# KiCad board Mainboard.kicad_pcb (continued)
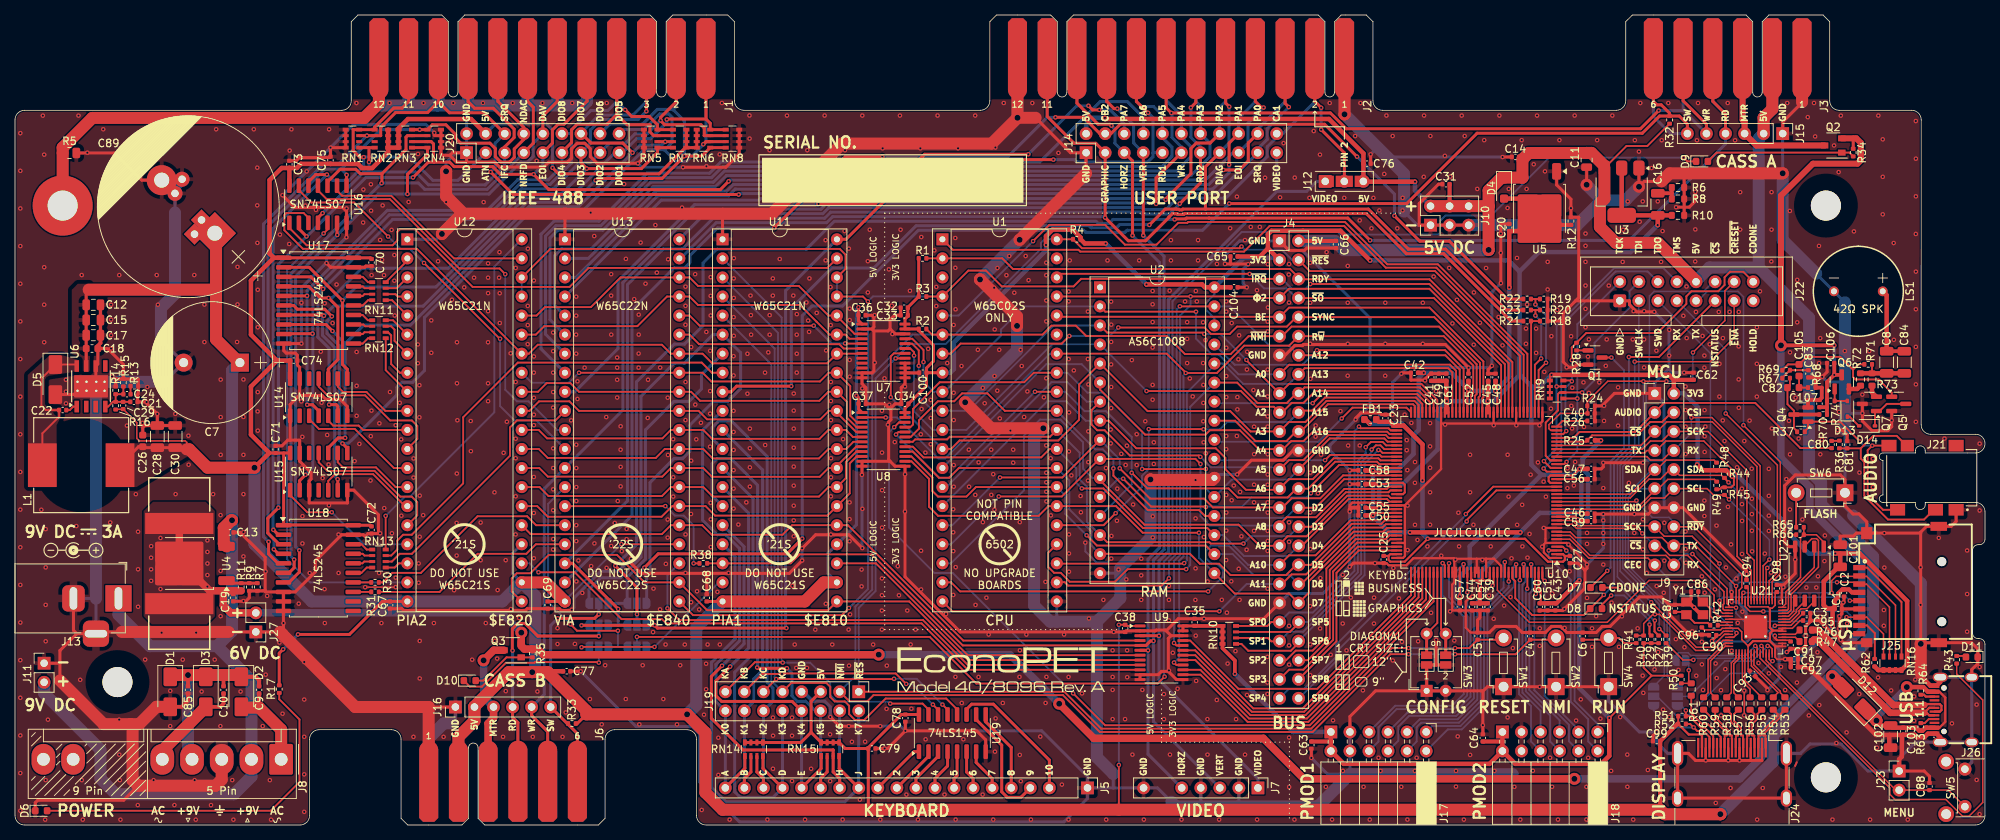
[diagram p0: board, top side]
## Routing (per net, layer and track width the routed paths; a pad name or vN(x,y) marks a point on that pad's centre or on a via; arc(x,y) is an arc through that point) (continued)
/MAGIC/FPGA/TDI: length 31.8
  Top w0.25: 205.44,48.59 204.58,48.59 203.96,49.21 203.96,53.62 205.59,55.26 205.59,55.26 205.59,57.43 205.81,57.64 RN9.2 v1(208.82,57.64)
  Bottom w0.25: J22.4 215.14,71.16 215.14,68.94 210.47,64.27 210.47,59.29 v1(208.82,57.64)
/MAGIC/FPGA/TDO: length 38.4
  Top w0.25: 205.44,47.09 204.11,47.09 v1(203.69,47.51)
  Bottom w0.25: v1(203.69,47.51) 206.04,49.87 206.04,66.54 213.28,73.77 217.55,73.77 J22.6
/MAGIC/FPGA/TMS: length 41.7
  Top w0.25: v1(203.73,48.49) 203.73,48.48 204.61,47.59 205.44,47.59 ; v1(205.42,58.44) RN9.3
  Bottom w0.25: v1(203.73,48.49) 205.42,50.18 v1(205.42,58.44) 205.42,66.55 213.09,74.22 219.64,74.22 J22.8
/MAGIC/FPGA/UART_RX: length 45.9
  Top w0.2: U21.3 233.74,32.53 234.84,33.63 234.84,47.96 v1(227.95,54.84)
  Bottom w0.2: J22.7 227.95,63.36 v1(227.95,54.84)
/MAGIC/FPGA/UART_TX: length 50.1
  Top w0.2: U21.2 234.14,32.42 235.23,33.51 235.23,48.37 v1(230.32,53.28)
  Bottom w0.2: J22.9 224.26,69.86 225.52,71.12 229.6,71.12 230.32,70.4 v1(230.32,53.28)
/MAGIC/FPGA/VIA_CB2: length 17.3
  Top w0.25: R22.1 202.6,70.1 ; 202.6,70.1 v1(202.6,69.37) ; 202.6,70.1 R19.1 ; v1(204,61.61) 203.02,60.62 U10.38
  Bottom w0.25: v1(204,61.61) 204,67.96 v1(202.6,69.37)
/MAGIC/FPGA/~{CRESET}: length 77.8
  Top w0.2: R24.1 209.51,56.41 209.54,56.44 ; R39.2 219.15,26.11 v1(219.1,26.11) ; 205.44,52.59 204.63,52.59 204.4,52.82 204.4,53.34 205.9,54.85 C40.1 209.54,56.44 ; 209.54,56.44 212.24,59.14 216.98,59.14 v1(216.99,59.13) v1(220.05,59.13) ; J22.14 227.84,71.16 227.84,67.22 v1(223.59,62.97)
  Bottom w0.2: v1(216.99,59.13) 216.99,50.52 214.24,47.77 214.24,34.26 219.1,29.39 v1(219.1,26.11) ; v1(220.05,59.13) 223.59,59.13 v1(223.59,62.97)
/MAGIC/FPGA/~{IRQ}: length 225.9
  Top w0.25: 168.5,72.77 168.48,72.78 142.06,72.78 141.06,71.78 131.49,71.78 129.38,73.89 127.03,73.89 U1.4 121.44,70.44 R3.2 ; v1(113.65,69.77) 112.99,70.43 U11.37 ; U13.21 90.34,27.97 110.18,27.97 v1(111.13,28.92) ; 199.02,55.01 199.02,61.55 188.47,72.1 v1(172.61,72.1) ; U12.38 67.53,72.97 71.33,76.77 109.91,76.77 110.67,76.01 110.67,74.12 U11.38
  Bottom w0.25: 168.5,72.77 168.83,72.77 170.13,71.47 171.98,71.47 v1(172.61,72.1) ; U1.4 114.31,70.44 v1(113.65,69.77) 113.65,31.44 v1(111.13,28.92) ; U11.38 U11.37 ; U12.38 U12.37
/MAGIC/FPGA/~{SO}: length 70.7
  Top w0.25: 198.02,55.01 198.02,61.28 189.07,70.23 J4.8 ; v1(164.51,73.44) 164.49,73.46 139.3,73.46 U1.38
  Bottom w0.25: v1(164.51,73.44) 166.44,71.51 169.45,71.51 170.74,70.23 J4.8
/MAGIC/FPGA/~{SPI_ENA}: length 73.2
  Top w0.2: R41.2 R40.2 217.02,26.85 218.24,28.07 v1(218.52,28.07) 219.14,28.07 223.95,23.26 226.26,23.26 227.61,24.61 U21.26 ; J22.13 229.08,64.94 225.89,61.75 v1(215.82,61.75)
  Bottom w0.2: v1(215.82,61.75) 215.82,50.39 213.52,48.09 213.52,33.07 v1(218.52,28.07)
/MAGIC/FPGA/~{TEST}: length 43.5
  Top w0.25: v1(179.08,53.09) 179.3,52.87 183.02,52.87 183.3,52.59 184.1,52.59 ; RN10.4 166.87,26.53 167.38,27.05 J4.41
  Bottom w0.25: v1(179.08,53.09) 178.48,52.49 178.48,33.85 172.94,28.32 169.77,28.32 J4.41
/MAGIC/HORIZ: length 44.2
  Top w0.25: 187.02,33.67 187.02,30.34 171.77,15.09 164.81,15.09 157.27,22.63 U9.18
/MAGIC/MCU/DVI/CEC: length 4.6
  Top w0.2: 223.03,18.88 v1(223.03,20.62) ; 223.03,18.88 R61.1 ; 223.03,18.88 222.03,18.88 R50.2
  Bottom w0.2: JP7.2 223.03,21.54 v1(223.03,20.62)
/MAGIC/MCU/DVI/DVI_CK+: length 8.4
  Top w0.2: R59.1 225.93,17.62 225.93,21.88 227.9,23.85 227.9,23.85 227.94,23.81 U21.28
/MAGIC/MCU/DVI/DVI_CK-: length 8.9
  Top w0.2: U21.27 227.94,24.21 227.9,24.18 227.76,24.18 225.6,22.02 225.6,17.62 R60.1
/MAGIC/MCU/DVI/DVI_D0+: length 6.4
  Top w0.2: R57.1 229.03,17.63 229.03,21.48 229.7,22.15 229.7,22.38 229.74,22.41 229.74,22.64 U21.30
/MAGIC/MCU/DVI/DVI_D0-: length 6.4
  Top w0.2: R58.1 228.7,17.63 228.7,21.61 229.37,22.29 229.37,22.38 229.34,22.41 U21.29
/MAGIC/MCU/DVI/DVI_D1+: length 6.8
  Top w0.2: R55.1 232.3,17.46 230.5,19.26 230.5,22 230.54,22.04 230.54,22.45 U21.32
/MAGIC/MCU/DVI/DVI_D1-: length 6.3
  Top w0.2: R56.1 231.2,18.1 230.17,19.12 230.17,22 230.14,22.04 U21.31
/MAGIC/MCU/DVI/DVI_D2+: length 7.6
  Top w0.2: U21.35 231.74,22.04 231.7,22 231.7,21.34 235.23,17.81 235.23,17.63 R53.1
/MAGIC/MCU/DVI/DVI_D2-: length 7.6
  Top w0.2: U21.34 231.34,22.04 231.37,22 231.37,21.2 234.9,17.68 234.9,17.63 R54.1
/MAGIC/MCU/DVI/HDMI_CEC: length 9
  Top w0.25: J24.13 227.29,11.73 225.54,13.48 224.77,13.48 223.36,14.89 R61.2
/MAGIC/MCU/DVI/HDMI_CK+: length 6.1
  Top w0.25: R59.2 226.55,14.35 228.48,12.42 228.48,11.93 228.76,11.93 228.76,11.48 228.79,11.45 J24.10
/MAGIC/MCU/DVI/HDMI_CK-: length 6.6
  Top w0.25: J24.12 227.79,11.45 227.81,11.48 227.81,11.93 228.1,11.93 228.1,12.27 225,15.37
/MAGIC/MCU/DVI/HDMI_D0+: length 6
  Top w0.25: J24.7 230.29,11.45 230.26,11.48 230.26,11.93 229.98,11.93 229.98,12.96 229.05,13.88 229.05,14.78 229.64,15.37
/MAGIC/MCU/DVI/HDMI_D0-: length 6
  Top w0.25: J24.9 229.29,11.45 229.31,11.48 229.31,11.93 229.6,11.93 229.6,12.8 228.67,13.73 228.67,14.78 228.09,15.37
/MAGIC/MCU/DVI/HDMI_D1+: length 5.9
  Top w0.25: R55.2 232.16,14.78 232.16,14.13 231.48,13.44 231.48,11.93 231.76,11.93 231.76,11.48 231.79,11.45 J24.4
/MAGIC/MCU/DVI/HDMI_D1-: length 5.9
  Top w0.25: J24.6 230.79,11.45 230.81,11.48 230.81,11.93 231.1,11.93 231.1,13.6 231.78,14.29 231.78,14.78 R56.2
/MAGIC/MCU/DVI/HDMI_D2+: length 6.5
  Top w0.25: J24.1 233.29,11.45 233.26,11.48 233.26,11.93 232.98,11.93 232.98,12.1 235.25,14.38 235.25,14.78 235.84,15.37
/MAGIC/MCU/DVI/HDMI_D2-: length 6.5
  Top w0.25: J24.3 232.29,11.45 232.31,11.48 232.31,11.93 232.6,11.93 232.6,12.26 234.87,14.53 234.87,14.78 234.29,15.37
/MAGIC/MCU/DVI/SCL: length 8.4
  Top w0.25: J24.15 226.29,11.86 225.16,12.98 224.62,12.98 223.1,14.5 R51.2 v1(222.64,15.26)
  Bottom w0.25: JP9.3 222.05,15.85 v1(222.64,15.26)
/MAGIC/MCU/DVI/SDA: length 12.1
  Top w0.25: J24.16 225.79,11.72 224.98,12.53 224.15,12.53 v1(223.68,13.01) 223.23,13.46 R52.2
  Bottom w0.25: v1(223.68,13.01) 220.62,13.01 218.35,15.28 JP8.3
/MAGIC/MCU/Flash/SCK: length 4.3
  Top w0.2: U21.52 236.43,27.41 237.37,28.35 237.37,28.69 238.48,29.8 U22.6
/MAGIC/MCU/Flash/SD0: length 3.3
  Top w0.2: 235.49,27.81 236.32,27.81 237.01,28.5 237.01,29.71 ; 237.02,29.71 U22.5
/MAGIC/MCU/Flash/SD1: length 10.6
  Top w0.2: U21.55 236.11,28.61 236.31,28.81 236.31,30.89 239.75,34.33 U22.2
/MAGIC/MCU/Flash/SD2: length 14.5
  Top w0.2: U21.54 235.5,28.22 236.21,28.22 236.66,28.67 236.66,30.72 240.31,34.37 240.31,37.91 240.06,38.16 239.43,38.16 238.48,37.21 U22.3
/MAGIC/MCU/Flash/SD3: length 5.7
  Top w0.2: U21.51 236.54,27.01 237.73,28.2 237.73,28.55 237.99,28.82 238.78,28.82 239.75,29.79 U22.7
/MAGIC/MCU/Flash/~{CS}: length 15.5
  Top w0.2: R66.2 240.03,38.68 241.02,37.7 U22.1 ; R66.2 R65.2 ; R66.2 237.92,38.24 237.92,33 235.95,31.03 235.95,29.47 U21.56
/MAGIC/MCU/GP25: length 60.2
  Top w0.2: R43.1 258.73,20.12 262.2,16.65 262.2,3 260.37,1.17 259.51,1.17 257.28,3.4 250.51,3.4 249.82,4.09 249.82,4.95 232.54,22.22 U21.37
/MAGIC/MCU/GP27: length 35.5
  Top w0.2: U21.39 233.34,21.92 250.61,4.65 J23.2 C88.1 257.62,4.65 SW5.2
/MAGIC/MCU/MCU_I2C0_SCL: length 16.2
  Top w0.2: v1(233.54,23.86) 233.75,23.86 234.14,23.47 U21.41
  Bottom w0.2: v1(233.54,23.86) 231.53,21.85 227.84,21.85 223.13,17.15 JP9.2
/MAGIC/MCU/MCU_I2C0_SDA: length 21.2
  Top w0.2: v1(234.2,21.84) 233.99,21.84 233.74,22.09 U21.40
  Bottom w0.2: v1(234.2,21.84) 232.56,20.2 228.53,20.2 222.99,14.66 221.3,14.66 218.8,17.16 JP8.2
/MAGIC/MCU/MCU_USB_D+: length 2.7
  Top w0.2: 237.79,25.98 R46.1 ; 237.79,25.98 237.79,25.97 ; 237.79,25.98 R46.1 ; R46.1 237.79,25.97 ; 237.79,25.97 237.72,25.91 ; 237.65,25.84 237.72,25.91 ; 237.65,25.84 237.22,25.41 U21.47 ; 237.65,25.84 237.72,25.91
/MAGIC/MCU/MCU_USB_D-: length 2.7
  Top w0.2: 237.65,24.59 R47.1 237.65,24.59 237.65,24.59 ; 237.65,24.59 237.51,24.73 237.23,25.01 U21.46
/MAGIC/MCU/MCU_~{CRESET}: length 15.5
  Top w0.2: U21.38 232.94,23.63 v1(232.71,23.86) ; v1(223.64,22) 222.25,22 R39.1
  Bottom w0.2: v1(232.71,23.86) 231.06,22.21 223.85,22.21 v1(223.64,22)
/MAGIC/MCU/SD_DETECT: length 19.3
  Top w0.2: v1(244.12,26.87) 244.12,26.07 244.69,25.5 J25.9 ; v1(232.97,28.47) 231.19,28.47 230.54,29.12 U21.11
  Bottom w0.2: v1(232.97,28.47) 244.06,28.47 244.62,27.91 244.62,27.37 v1(244.12,26.87)
/MAGIC/MCU/SD_~{CS}: length 31.6
  Top w0.2: U21.12 230.14,30.77 v1(230.32,30.95) ; RN16.2 250.57,29.29 246.73,33.14 242.66,33.14 242.07,32.55 v1(242.07,30.93)
  Bottom w0.2: v1(242.07,30.93) 242.05,30.95 v1(230.32,30.95)
/MAGIC/MCU/USB/CC1: length 2
  Top w0.25: R63.2 254.47,13.58 255,14.11 J26.A5
/MAGIC/MCU/USB/CC2: length 1.9
  Top w0.3: R64.2 254.37,17.36 254.61,17.11 J26.B5
/MAGIC/MCU/USB/USB_D+: length 23.1
  Top w0.3: J26.A6 256.49,15.11 256.7,15.32 256.7,15.88 256.46,16.11 J26.B6 254.53,16.11 254.4,15.99
  Top w0.9: 254.4,15.99 250.3,15.99 240.3,25.98 R46.2
/MAGIC/MCU/USB/USB_D-: length 22.3
  Top w0.3: J26.A7 255.06,15.61 254.4,14.96 254.4,14.96 254.72,14.96 255.06,14.61 J26.B7
  Top w0.9: 254.4,14.96 249.87,14.96 240.13,24.7 239.69,24.7 R47.2
/MAGIC/MCU/XIN: length 6.8
  Top w0.2: U21.20 227.59,27.01 227.38,27.01 227.2,27.2 226.54,27.2 225.92,27.82 225.92,28.77 224.96,29.72 Y1.1 224.3,30.34 C86.2
/MAGIC/MCU/XOUT: length 1.5
  Top w0.2: R42.2 226.91,26.61 U21.21
/MAGIC/PHI2: length 119.3
  Top w0.25: U1.37 v1(156.65,70.44) 165.56,70.44 165.77,70.23 J4.7 169.73,71.46 188.47,71.46 198.52,61.41 198.52,55.01 ; U9.20 154.76,23.93 v1(154.44,24.25)
  Bottom w0.25: v1(154.44,24.25) 154.44,35.18 155.25,35.99 155.25,67.9 156.65,69.3 v1(156.65,70.44)
/MAGIC/R~{W}: length 141.1
  Top w0.25: U1.34 153.47,62.82 156,60.29 v1(156,60.24) 160.15,60.24 163.8,63.88 169.78,63.88 J4.12 190.38,65.15 194.31,61.22 194.31,57.63 194.02,57.34 194.02,55.01 ; v1(116.02,54.31) 116.01,54.32 U8.2 ; v1(154.44,21.65) 154.76,21.33 U9.16
  Bottom w0.25: v1(156,60.24) 155.7,59.94 155.7,35.8 155.13,35.23 155.13,22.34 v1(154.44,21.65) ; U1.34 137.89,62.82 123.92,48.84 123.02,48.84 117.55,54.31 v1(116.02,54.31)
/MAGIC/VERT: length 43.5
  Top w0.25: 186.52,33.67 186.52,30.48 171.59,15.54 164.99,15.54 157.25,23.28 U9.19
/MAGIC/VIDEO: length 41.3
  Top w0.25: U9.21 156.59,24.58 163.02,18.15 173.54,18.15 186.02,30.64 186.02,33.67
/MAGIC/~{IO_OE}: length 109.6
  Top w0.25: v1(117.15,53.02) 117.8,53.67 U8.22 ; 189.02,33.67 189.02,29.79 172.53,13.29 145.25,13.29 v1(141,17.54)
  Bottom w0.25: v1(141,17.54) 124.95,33.59 122.52,33.59 116.47,39.64 116.47,52.33 v1(117.15,53.02)
/MAGIC/~{PIA1_CS}: length 44.8
  Top w0.25: U9.17 157.28,21.98 164.62,14.64 171.96,14.64 187.52,30.2 187.52,33.67
/MAGIC/~{PIA2_CS}: length 45.9
  Top w0.25: 188.52,33.67 188.52,29.93 172.33,13.74 164.25,13.74 157.96,20.03 U9.14
/MAGIC/~{VIA_CS}: length 45.3
  Top w0.25: U9.15 157.94,20.68 164.43,14.19 172.15,14.19 188.02,30.07 188.02,33.67
/POWER/PH: length 20
  Top w0.25: U6.8 8.02,61.37 D5.1 3.52,59.5 3.52,55.88 4.1,55.3 C22.2 5.87,54.42 3.64,52.18 L1.1
/POWER/VAC1: length 12.4
  Top w0.56: C9.1 32.52,15.65
  Top w1.6: D2.2 30.26,15.65 32.52,15.65 35.47,12.71 J8.1
/POWER/VAC2: length 13.3
  Top w0.5: D3.2 27.36,15.75 27.79,16.18 C10.2
  Top w1.6: J8.5 19.62,9.92 25.42,15.71 D3.2
/USER/VIDEO_OR_5V: length 13.1
  Top w0.4: 177.14,86.53 177.14,89.58 v1(174.05,92.67) ; J2.2 173.2,96.43 v1(174.05,95.59)
  Bottom w0.4: v1(174.05,92.67) v1(174.05,95.59)
CHASSIS_GND: length 54.1
  Top w1.6: H1.1 R5.1 6.35,90.28 10.3,94.23 46.53,94.23 48.49,96.19 J1.12
FPGA_VCCA: length 51.3
  Top w0.28: 183.03,35.86 183.25,36.09 184.1,36.09 ; 183.03,35.86 182.38,35.86 C25.1 ; 183.03,35.86 183.03,35.32 183.24,35.1 185.19,35.1 v1(188.23,38.14)
  Top w0.3: v1(188.23,38.14) 201.21,38.14 204.26,35.09 206.28,35.09 206.52,35.34 206.52,35.84 ; C27.1 207.18,35.84 206.52,35.84 ; 206.52,35.84 206.28,36.09 U10.2
  Top w0.56: FB1.1 181.69,53.73 C23.1 183.2,53.73 183.69,53.24
  Top w0.6: v1(187.55,45.93) 187.55,50.72 185.03,53.24 183.69,53.24
  Bottom w0.6: v1(187.55,45.93) 187.55,38.83 v1(188.23,38.14)
Net-(C6-Pad1): length 7.5
  Top w0.25: C6.1 212.11,24.69 SW4.2 213.73,24.93 214.43,24.23 R41.1
Net-(C8-Pad1): length 7
  Top w0.25: R71.1 247.45,60.2
  Top w0.6: C84.1 C8.1 R73.1 ; R73.1 R72.2 ; R73.1 247.45,60.2
Net-(C8-Pad2): length 10.6
  Top w0.5: C84.2 C8.2
  Top w0.6: C8.2 249.39,70.6 LS1.1
Net-(C16-Pad2): length 3.4
  Top w0.5: R6.2 220.77,84.19 ; 220.77,84.19 R8.2 ; 220.77,84.19 220.76,84.2 C16.2
Net-(C24-Pad1): length 1.1
  Top w0.25: C24.1 R13.1
Net-(C80-Pad2): length 1.1
  Top w0.25: C80.2 243.07,51.19 R36.1
Net-(C81-Pad1): length 28.1
  Top w0.25: 245.95,50.2 C81.1 R36.2 ; 245.95,50.2 245.95,48.84 246.42,48.37 246.42,43.86 249.57,40.71 254.38,40.71 255.68,42.01 J21.3 ; 245.95,50.2 247.61,51.86 250.74,51.86 252.04,50.56 J21.2
Net-(C83-Pad1): length 4
  Top w0.25: R67.2 235.49,59.59 R69.1 C83.1
Net-(C87-Pad2): length 5.4
  Top w0.25: C87.2 222.35,28.39 Y1.3 222.73,28.02 223.81,26.94 225.57,26.94 R42.1
Net-(C105-Pad2): length 2.7
  Top w0.25: R68.2 C82.2 C105.2
Net-(D6-A): length 48.2
  Top w0.25: D6.2 34.08,1.9 37.91,5.73 37.91,14.06 35.21,16.76 R17.2
Net-(D7-A): length 11.1
  Top w0.25: v1(213.86,31.65) 213.85,31.64 D7.2
  Top w0.28: R27.1 218.46,25.8 218.46,27.21 v1(218.5,27.25)
  Bottom w0.25: v1(218.5,27.25) 218.39,27.25 213.99,31.65 v1(213.86,31.65)
Net-(D7-K): length 34.4
  Top w0.25: D7.1 209.94,31.64 v1(212.17,33.87) ; Q1.3 v1(212.72,62.3)
  Bottom w0.25: v1(212.72,62.3) 214.4,60.62 214.4,50.24 212.62,48.46 212.62,34.32 v1(212.17,33.87)
Net-(D8-A): length 10.8
  Top w0.25: v1(212.69,30.59) 211.47,29.37 D8.2
  Top w0.28: R29.1 217.8,25.47 v1(217.8,26.71)
  Bottom w0.25: v1(217.8,26.71) 217.8,27.21 214.42,30.59 v1(212.69,30.59)
Net-(D9-A): length 20.1
  Top w0.25: 244.94,89.1 244.43,89.61 Q2.1 226.74,89.61 D9.2
Net-(D10-A): length 8.8
  Top w0.25: D10.2 62.39,19.24 65.49,22.34 Q3.1 R35.2
Net-(D11-A): length 1.3
  Top w0.25: R43.2 259.81,22.53 D11.2
Net-(D13-A): length 3.3
  Top w0.25: Q6.1 R74.2 244.15,56.51 D13.2
Net-(D13-K): length 2.1
  Top w0.25: D13.1 244.47,54.41 245.69,53.19 D14.2
Net-(D14-K): length 6.4
  Top w0.25: Q5.3 249.41,56.12 248.46,55.17 Q7.1 247.84,54.97 D14.1
Net-(J25-DAT1): length 5.9
  Top w0.25: J25.8 246.78,26.6 247.82,25.56 247.82,22.15 R62.2
Net-(J25-DAT2): length 14.8
  Top w0.25: J25.1 246.8,34.3 251.38,29.72 RN16.1
Net-(Q1-B): length 1.5
  Top w0.25: R28.1 Q1.1
Net-(Q4-B): length 25.2
  Top w0.25: J21.6 248.91,42.01 246.87,44.05 246.87,49.95 v1(247.48,50.56) 247.48,50.56 J21.5 ; v1(245.82,51.11) 245.82,51.12 243.19,53.75 Q4.1 238.91,52.91 238.48,52.48 R37.1
  Bottom w0.25: v1(245.82,51.11) 246.37,50.56 v1(247.48,50.56)
Net-(Q4-C): length 11.2
  Top w0.25: R67.1 236.51,58.62 C82.1 236.18,56.08 237.04,55.22 Q4.3 237.04,52.89 237.47,52.46 R37.2
  Top w0.5: R70.2 Q4.3
Net-(Q5-B): length 20.2
  Top w0.25: 244.92,60.68 245.63,61.39 R71.2 ; 244.92,60.68 244.92,59.7 245.24,59.38 248.32,59.38 250.07,57.63 Q5.1 ; 244.92,60.68 243.21,62.39 238.73,62.39 C105.1 236.26,61.39 R69.2
Net-(Q6-E): length 1.7
  Top w0.6: Q6.2 245.48,58.12 245.91,58.55
Net-(Q7-E): length 1.7
  Top w0.6: 247.44,58.55 247.44,57.65 248.02,57.07 Q7.2
Net-(R65-Pad1): length 4.6
  Top w0.25: R65.1 SW6.2
Net-(RN11-R1.1): length 2.8
  Top w0.25: RN11.1 47.04,72.34 46.33,73.05 U17.18
Net-(RN11-R2.1): length 2.6
  Top w0.25: U17.17 46.35,71.78 46.59,71.54 RN11.2
Net-(RN11-R3.1): length 2.6
  Top w0.25: RN11.3 46.56,70.74 46.33,70.51 U17.16
Net-(RN11-R4.1): length 2.8
  Top w0.25: RN11.4 47.05,69.94 46.35,69.24 U17.15
Net-(RN12-R1.1): length 2.8
  Top w0.25: U17.14 46.32,67.97 47.02,67.27 RN12.1
Net-(RN12-R2.1): length 2.6
  Top w0.25: RN12.2 46.65,66.47 46.42,66.7 U17.13
Net-(RN12-R3.1): length 2.6
  Top w0.25: RN12.3 46.57,65.67 46.33,65.43 U17.12
Net-(RN12-R4.1): length 2.8
  Top w0.25: RN12.4 47.05,64.87 46.34,64.16 U17.11
Net-(RN13-R1.1): length 2.8
  Top w0.25: RN13.1 46.87,36.71 46.17,37.41 U18.18
Net-(RN13-R2.1): length 2.6
  Top w0.25: U18.17 46.34,36.14 46.57,35.91 RN13.2
Net-(RN13-R3.1): length 2.6
  Top w0.25: RN13.3 46.53,35.11 46.29,34.87 U18.16
Net-(RN13-R4.1): length 2.8
  Top w0.25: RN13.4 46.87,34.31 46.16,33.6 U18.15
Net-(U4-ADJ): length 4.2
  Top w0.4: U4.1 28.53,32.23 R11.2 R9.1 R7.1
Net-(U6-BOOT): length 1.6
  Top w0.25: U6.1 7.76,55.77 7.29,55.3 6.83,55.3
Net-(U6-VSENSE): length 6.7
  Top w0.25: R16.2 R14.1 C24.2 R15.1 ; R16.2 13.03,56.39 12.41,55.77 U6.4 ; R16.2 C29.2 C21.2
Net-(U13-PB5): length 24.1
  Top w0.25: v1(86.65,42.5) 86.64,42.49 U13.15 ; R38.1 90.43,34.87 v1(90.43,34.87)
  Bottom w0.25: v1(86.65,42.5) 87.92,41.23 89.12,41.23 90.43,39.92 v1(90.43,34.87)
Net-(U18-B4): length 2.4
  Top w0.25: R30.1 U18.14
Net-(U18-B5): length 2.4
  Top w0.25: R31.1 U18.13

## Copper pours and planes (outline as drawn; the poured copper is in the pictures)
+3V3 on Top: 236.04,21.79 234.39,21.79 234.39,24.31 236.04,24.31
+5V on Top: 12.08,50.87 23.24,50.87 23.25,49.26 16.18,45.04 12.08,45.04
+6V on Top, Bottom: 26.64,41.83 26.64,27.83 25.39,26.58 18.39,26.58 17.14,27.83 17.14,41.83 18.39,43.08 25.39,43.08
+9V_Unreg on Top: 8.72,60.39 9.99,60.39 9.99,72.14 8.37,72.14 7.57,71.33 7.57,62.29 8.72,61.95
/MAGIC/MCU/DVDD on Top: 235.34,24.86 235.34,24.51 234.14,24.52 234.14,25.54 234.59,25.54
/MAGIC/MCU/USB/VBUS on Top: 257.39,12.66 256.39,12.66 256.39,18.07 257.39,18.07
GND on Top, Bottom: 262.56,-0.06 90.76,-0.06 90.76,11.25 39.25,11.23 39.25,-0.05 -0.05,-0.05 -0.05,96.71 262.56,96.71
/POWER/PH on Top: 8.53,61.94 6.28,62.62 4.64,62.62 1.71,59.99 1.71,45.04 5.55,45.04 5.54,53.29 6.16,54.51 6.16,55.59 4.64,55.59 4.19,55.79 3.99,56.09 3.99,59.34 4.19,59.69 4.54,59.88 8.54,60.49

Small or netless copper shapes (teardrops, artwork), in the pictures only: 1 on Top

## Text on the board
B.Silkscreen: 2x1 | BARREL / JACK | 9x1 / KEYED CONN. | BIG / CAP | SMALL / CAP | DIP 40 / PIA | 6x1 | DIP 40 / VIA | 9x2 | 8x2 | DIP 40 / CPU | 20x1 / KEYED | DIP 32 / RAM | 7x1 / KEYED | 11x2 | 25x2 | 3x1 | DIP SWITCH | 6x2 / ANGLED | 3x2 | BUTTON | 10x2 | SPEAKER | ANGLED / BUTTON | AUDIO JACK | N | M | A | L | B | K | C | J | D | H | E | F | 1 | CASSETTE | 2 | SDA | SCL | CEC | TYPICAL | Audio Jack / Button (4) / DIP Switch / Angled Button / DIP 32-pin / DIP 40-pin (4) / Angled Socket (2) / 2x1 Header (3) / 3x1 Header / 6x1 Header (2) / 3x2 Header / 8x2 Header (2) / 9x2 Header / 10x2 Header / 11x2 Header / 25x2 Header / 7x1 Keyed Header / 20x1 Keyed Header / Speaker / Barrel Jack / 9x1 Keyed Conn. / Capacitors | Recommended / Assembly Order: | https://is.gd/6hpvh6 | 17 | 31 | 32 | 34 | 33 | 16 | 12 | 20 | 11 | 24 | 10 | 23 | 9 | 29 | 8 | 28 | 26 | 27 | 18 | 6 | 14 | 21 | 5 | MADE IN GARAGE | 4 | 3 | 13 | 25 | 22 | 19 | 30 | 15 | 7 | OBSERVE / POLARITY | 1 / 2-5 / 6 / 7 / 8 / 9-12 / 13-14 / 15-17 / 18 / 19-20 / 21 / 22-23 / 24 / 25 / 26 / 27 / 28 / 29 / 30 / 31 / 32 / 33-34 | CASS B | IEEE-488 | USER PORT | CASS A | - | +
F.Silkscreen: 5V LOGIC | 3V3 LOGIC | 12 | 11 | 1 | 10 | 6 | 3 | 2 | GND | SP0 | SP1 | SP2 | SP3 | SP4 | 3V3 | A10 | A11 | ~{NMI} | ~{IRQ} | BE | A0 | A1 | A2 | A3 | A4 | A5 | A6 | A7 | A8 | A9 | 5V | D0 | D1 | D2 | D3 | D4 | D5 | D6 | D7 | ~{SO} | R~{W} | A12 | A13 | A14 | A15 | A16 | ~{RES} | RDY | SP5 | SP6 | SP7 | SP8 | SP9 | SYNC | VIDEO | AUDIO | SCK | CEC | SDA | SCL | ~{CS} | TX | RX | CSI | ~{RDY} | ATN | MTR | SRQ | IFC | RD | NRFD | NDAC | WR | DAV | EOI | SW | DIO8 | DIO4 | DIO7 | DIO3 | DIO6 | DIO2 | DIO5 | DIO1 | KA | K0 | A | KB | K1 | B | KC | K2 | C | KD | K3 | D | K4 | E | K5 | F | K6 | H | K7 | J | 4 | 5 | 7 | 8 | 9 | CB2 | GRAPHIC | PA7 | HORZ | PA6 | VER | PA5 | RD1 | PA4 | PA3 | RD2 | PA2 | DIAG | VERT | PA1 | PA0 | CA1 | PIN 2 | TCK | TDI | SWCLK | TDO | SWD | TMS | NSTATUS | ~{CRESET} | ~{ENA} | CDONE | HOLD | ONLY | 6502 | - | + | DIAGONAL / CRT SIZE: | 9{dblquote} | 12{dblquote} | KEYBD: | BUSINESS | GRAPHICS | JLCJLCJLCJLC | '21S | DO NOT USE / W65C21S | '22S | DO NOT USE / W65C22S | NOT PIN / COMPATIBLE | NO UPGRADE / BOARDS | AC | +9V | FLASH | MENU | 1.1 | Φ | ∿ | ⏚ | PIA2 | $E820 | VIA | $E840 | PIA1 | $E810 | CPU | RAM | 9V DC | 9V DC   3A | POWER | 6V DC | CASS B | IEEE-488 | SERIAL NO. | KEYBOARD | USER PORT | BUS | CONFIG | 5V DC | RESET | NMI | RUN | MCU | CASS A | PMOD1 | PMOD2 | DISPLAY | μSD | USB | ⎓
